# Altium PCB Shuttler_AMC.PcbDoc (part 11 of 12) (continued)
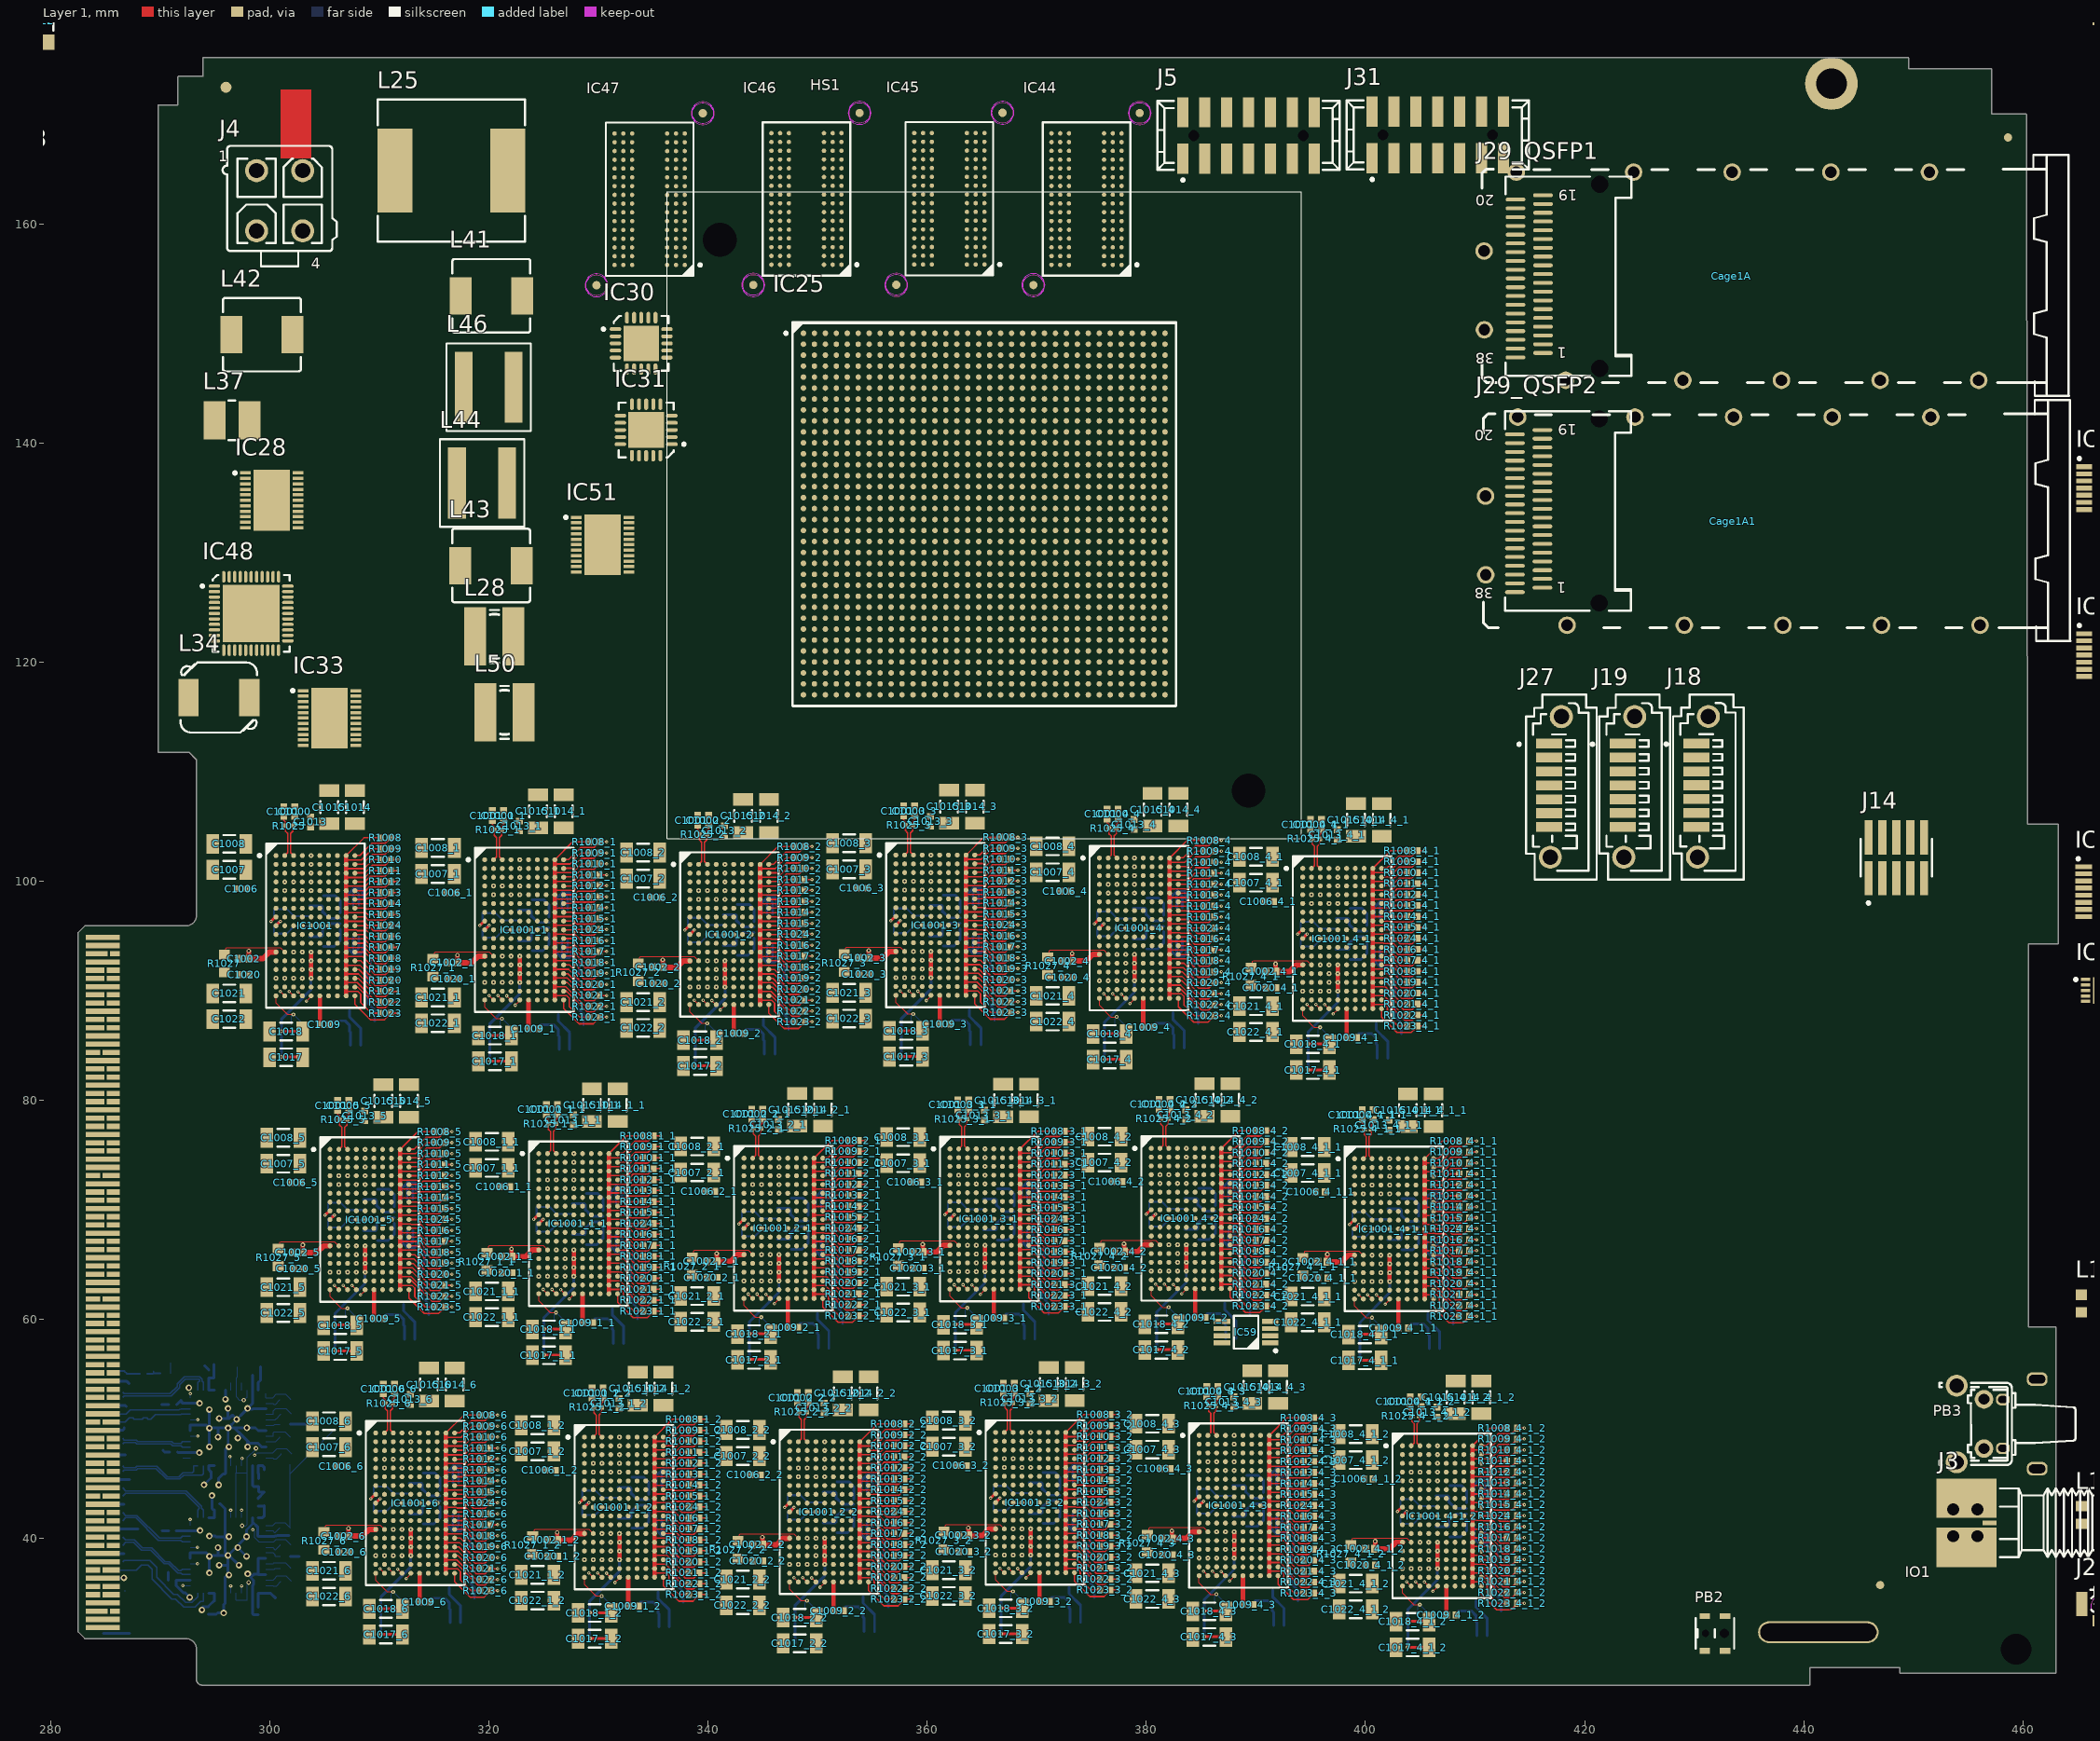
[diagram p0: Layer 1 view]
## Nets (pads, with @x,y where several pads share a name; then routed paths per layer and width w, separated by ;. In a path a pad name is that pad's centre, name@x,y a point inside that pad or via, vN(x,y) a via of type N, cw(c..) or ccw(c..) an arc to the next point about the centre after c; other vN are vias at no path point) (continued)
v2(414.506,41.1) ; 410.575,42.078 411.422,42.078 411.636,41.864 412.017,41.864 412.281,41.6 413.351,41.6 413.609,41.858 413.629,41.858 413.851,42.08 413.851,42.1 v2(414.506,42.1) ; 410.575,42.878 411.137,42.878 411.503,42.878 411.781,42.6 413.351,42.6 413.609,42.858 413.629,42.858 413.851,43.08 413.851,43.1 v2(414.506,43.1) ; 410.575,43.678 411.159,43.678 411.503,43.678 411.581,43.6 413.351,43.6 413.609,43.858 413.629,43.858 413.851,44.08 413.851,44.1 v2(414.506,44.1) ; 410.575,44.478 411.059,44.478 411.559,44.478 411.681,44.6 413.351,44.6 413.609,44.858 413.629,44.858 413.851,45.08 413.851,45.1 v2(414.506,45.1) ; 410.575,45.278 411.059,45.278 411.559,45.278 411.881,45.6 413.351,45.6 413.609,45.858 413.629,45.858 413.851,46.08 413.851,46.1 v2(414.506,46.1) ; 410.575,46.878 410.6,46.903 410.884,46.903 411.484,46.903 412.181,47.6 413.351,47.6 413.609,47.858 413.629,47.858 413.851,48.08 413.851,48.1 v2(414.506,48.1) ; 410.575,47.678 410.6,47.703 410.884,47.703 411.284,47.703 412.181,48.6 413.351,48.6 413.609,48.858 413.629,48.858 413.851,49.08 413.851,49.1 v2(414.506,49.1) ; 410.575,48.478 410.6,48.503 411.034,48.503 412.131,49.6 413.351,49.6 413.609,49.858 413.629,49.858 413.851,50.08 413.851,50.1 v2(414.506,50.1) ; 410.575,46.078 410.909,46.078 411.459,46.078 411.981,46.6 413.351,46.6 413.609,46.858 413.629,46.858 413.851,47.08 413.851,47.1 v2(414.506,47.1) ; 410.578,35.675 410.575,35.678 410.575,34.906 411.981,33.5 413.281,33.5 413.629,33.848 413.629,33.878 413.851,34.1 v2(414.506,34.1) ; 413.851,36.101 413.851,36.081 ; v2(414.506,36.081) 413.851,36.081
  Layer 1 w0.254: v2(300.113,96.35) 300.513,96.75 300.569,96.75 ; 300.569,95.95 v2(300.969,96.35) ; v1(301.05,83.972) 302.975,83.972 303,83.947 ; v1(301.05,86.322) 302.975,86.322 303,86.297 ; v2(305.044,69.528) 305.444,69.928 305.5,69.928 ; 305.5,69.128 v2(305.9,69.528) ; v1(305.981,57.15) 307.906,57.15 307.931,57.125 ; v1(305.981,59.5) 307.906,59.5 307.931,59.475 ; v2(309.213,43.65) 309.613,44.05 309.669,44.05 ; 309.669,43.25 v2(310.069,43.65) ; v1(310.15,31.272) 312.075,31.272 312.1,31.247 ; v1(310.15,33.622) 312.075,33.622 312.1,33.597 ; v2(319.163,95.975) 319.563,96.375 319.619,96.375 ; 319.619,95.575 v2(320.019,95.975) ; v1(320.1,83.597) 322.025,83.597 322.05,83.572 ; v1(320.1,85.947) 322.025,85.947 322.05,85.922 ; v2(324.094,69.153) 324.494,69.553 324.55,69.553 ; 324.55,68.753 v2(324.95,69.153) ; v1(325.031,56.775) 326.956,56.775 326.981,56.75 ; v1(325.031,59.125) 326.956,59.125 326.981,59.1 ; v2(328.263,43.275) 328.663,43.675 328.719,43.675 ; 328.719,42.875 v2(329.119,43.275) ; v1(329.2,30.897) 331.125,30.897 331.15,30.872 ; v1(329.2,33.247) 331.125,33.247 331.15,33.222 ; v2(337.888,95.55) 338.288,95.95 338.344,95.95 ; 338.344,95.15 v2(338.744,95.55) ; v1(338.825,83.172) 340.75,83.172 340.775,83.147 ; v1(338.825,85.522) 340.75,85.522 340.775,85.497 ; v2(342.819,68.728) 343.219,69.128 343.275,69.128 ; 343.275,68.328 v2(343.675,68.728) ; v1(343.756,56.35) 345.681,56.35 345.706,56.325 ; v1(343.756,58.7) 345.681,58.7 345.706,58.675 ; v2(346.988,42.85) 347.388,43.25 347.444,43.25 ; 347.444,42.45 v2(347.844,42.85) ; v1(347.925,32.822) 349.85,32.822 349.875,32.797 ; v2(356.688,96.4) 357.088,96.8 357.144,96.8 ; 357.144,96 v2(357.544,96.4) ; v1(357.625,84.022) 359.55,84.022 359.575,83.997 ; v1(357.625,86.372) 359.55,86.372 359.575,86.347 ; v2(361.619,69.578) 362.019,69.978 362.075,69.978 ; 362.075,69.178 v2(362.475,69.578) ; v1(362.556,57.2) 364.481,57.2 364.506,57.175 ; v1(362.556,59.55) 364.481,59.55 364.506,59.525 ; v2(365.788,43.7) 366.188,44.1 366.244,44.1 ; 366.244,43.3 v2(366.644,43.7) ; v1(366.725,31.322) 368.65,31.322 368.675,31.297 ; v1(366.725,33.672) 368.65,33.672 368.675,33.647 ; v2(375.263,96.125) 375.663,96.525 375.719,96.525 ; 375.719,95.725 v2(376.119,96.125) ; v1(376.2,83.747) 378.125,83.747 378.15,83.722 ; v1(376.2,86.097) 378.125,86.097 378.15,86.072 ; v2(379.994,69.625) 380.394,70.025 380.45,70.025 ; 380.45,69.225 v2(380.85,69.625) ; v1(380.931,57.247) 382.856,57.247 382.881,57.222 ; v1(380.931,59.597) 382.856,59.597 382.881,59.572 ; v2(384.363,43.425) 384.763,43.825 384.819,43.825 ; 384.819,43.025 v2(385.219,43.425) ; v1(385.3,31.047) 387.225,31.047 387.25,31.022 ; v1(385.3,33.397) 387.225,33.397 387.25,33.372 ; v2(393.819,95.178) 394.219,95.578 394.275,95.578 ; 394.275,94.778 v2(394.675,95.178) ; v1(394.756,82.8) 396.681,82.8 396.706,82.775 ; v1(394.756,85.15) 396.681,85.15 396.706,85.125 ; v2(398.549,68.678) 398.949,69.078 399.006,69.078 ; 399.006,68.278 v2(399.406,68.678) ; v1(399.487,56.3) 401.412,56.3 401.437,56.275 ; v1(399.487,58.65) 401.412,58.65 401.437,58.625 ; v2(402.919,42.478) 403.318,42.878 403.375,42.878 ; 403.375,42.078 v2(403.775,42.478) ; v1(403.856,30.1) 405.781,30.1 405.806,30.075 ; v1(403.856,32.45) 405.781,32.45 405.806,32.425
  Layer 1 w0.4: 298.085,92.947 v4@298.085,93.6 ; 303.016,66.125 v4@303.016,66.778 ; v1(303.769,91.15) v1(303.769,91.95) v1(303.769,92.75) v1(303.769,93.55) ; 304.569,86.883 304.569,89.55 ; 306.969,89.55 306.969,89.947 306.969,90.35 306.969,90.75 306.969,91.15 306.969,91.55 306.969,91.95 306.969,92.35 306.969,92.75 306.969,93.15 306.969,93.55 306.969,93.95 306.969,94.35 306.969,94.75 306.969,95.15 306.969,95.55 306.969,95.95 306.969,96.35 306.969,96.75 306.969,97.15 306.969,97.55 306.969,97.947 306.969,98.35 306.969,98.75 306.969,99.15 306.969,99.55 306.969,99.95 306.969,100.35 306.969,100.75 306.969,101.15 306.969,101.55 306.969,101.95 306.969,102.35 ; 307.185,40.247 v4@307.185,40.9 ; v1(308.7,64.328) v1(308.7,65.128) v1(308.7,65.928) v1(308.7,66.728) ; 309.5,60.061 309.5,62.728 ; 311.9,62.728 311.9,63.125 311.9,63.528 311.9,63.928 311.9,64.328 311.9,64.728 311.9,65.128 311.9,65.528 311.9,65.928 311.9,66.328 311.9,66.728 311.9,67.128 311.9,67.528 311.9,67.928 311.9,68.328 311.9,68.728 311.9,69.128 311.9,69.528 311.9,69.928 311.9,70.328 311.9,70.728 311.9,71.125 311.9,71.528 311.9,71.928 311.9,72.328 311.9,72.728 311.9,73.128 311.9,73.528 311.9,73.928 311.9,74.328 311.9,74.728 311.9,75.128 311.9,75.528 ; v1(312.869,38.45) v1(312.869,39.25) v1(312.869,40.05) v1(312.869,40.85) ; 313.669,34.183 313.669,36.85 ; 316.069,36.85 316.069,37.247 316.069,37.65 316.069,38.05 316.069,38.45 316.069,38.85 316.069,39.25 316.069,39.65 316.069,40.05 316.069,40.45 316.069,40.85 316.069,41.25 316.069,41.65 316.069,42.05 316.069,42.45 316.069,42.85 316.069,43.25 316.069,43.65 316.069,44.05 316.069,44.45 316.069,44.85 316.069,45.247 316.069,45.65 316.069,46.05 316.069,46.45 316.069,46.85 316.069,47.25 316.069,47.65 316.069,48.05 316.069,48.45 316.069,48.85 316.069,49.25 316.069,49.65 ; 317.135,92.572 v4@317.135,93.225 ; 322.066,65.75 v4@322.066,66.403 ; v1(322.819,90.775) v1(322.819,91.575) v1(322.819,92.375) v1(322.819,93.175) ; 323.619,86.508 323.619,89.175 ; 326.019,89.175 326.019,89.572 326.019,89.975 326.019,90.375 326.019,90.775 326.019,91.175 326.019,91.575 326.019,91.975 326.019,92.375 326.019,92.775 326.019,93.175 326.019,93.575 326.019,93.975 326.019,94.375 326.019,94.775 326.019,95.175 326.019,95.575 326.019,95.975 326.019,96.375 326.019,96.775 326.019,97.175 326.019,97.572 326.019,97.975 326.019,98.375 326.019,98.775 326.019,99.175 326.019,99.575 326.019,99.975 326.019,100.375 326.019,100.775 326.019,101.175 326.019,101.575 326.019,101.975 ; 326.235,39.872 v4@326.235,40.525 ; v1(327.75,63.953) v1(327.75,64.753) v1(327.75,65.553) v1(327.75,66.353) ; 328.55,59.686 328.55,62.353 ; 330.95,62.353 330.95,62.75 330.95,63.153 330.95,63.553 330.95,63.953 330.95,64.353 330.95,64.753 330.95,65.153 330.95,65.553 330.95,65.953 330.95,66.353 330.95,66.753 330.95,67.153 330.95,67.553 330.95,67.953 330.95,68.353 330.95,68.753 330.95,69.153 330.95,69.553 330.95,69.953 330.95,70.353 330.95,70.75 330.95,71.153 330.95,71.553 330.95,71.953 330.95,72.353 330.95,72.753 330.95,73.153 330.95,73.553 330.95,73.953 330.95,74.353 330.95,74.753 330.95,75.153 ; v1(331.919,38.075) v1(331.919,38.875) v1(331.919,39.675) v1(331.919,40.475) ; 332.719,33.808 332.719,36.475 ; 335.119,36.475 335.119,36.872 335.119,37.275 335.119,37.675 335.119,38.075 335.119,38.475 335.119,38.875 335.119,39.275 335.119,39.675 335.119,40.075 335.119,40.475 335.119,40.875 335.119,41.275 335.119,41.675 335.119,42.075 335.119,42.475 335.119,42.875 335.119,43.275 335.119,43.675 335.119,44.075 335.119,44.475 335.119,44.872 335.119,45.275 335.119,45.675 335.119,46.075 335.119,46.475 335.119,46.875 335.119,47.275 335.119,47.675 335.119,48.075 335.119,48.475 335.119,48.875 335.119,49.275 ; 335.86,92.147 v4@335.86,92.8 ; 340.791,65.325 v4@340.791,65.978 ; v1(341.544,90.35) v1(341.544,91.15) v1(341.544,91.95) v1(341.544,92.75) ; 342.344,86.083 342.344,88.75 ; 344.744,88.75 344.744,89.147 344.744,89.55 344.744,89.95 344.744,90.35 344.744,90.75 344.744,91.15 344.744,91.55 344.744,91.95 344.744,92.35 344.744,92.75 344.744,93.15 344.744,93.55 344.744,93.95 344.744,94.35 344.744,94.75 344.744,95.15 344.744,95.55 344.744,95.95 344.744,96.35 344.744,96.75 344.744,97.147 344.744,97.55 344.744,97.95 344.744,98.35 344.744,98.75 344.744,99.15 344.744,99.55 344.744,99.95 344.744,100.35 344.744,100.75 344.744,101.15 344.744,101.55 ; 344.96,39.447 v4@344.96,40.1 ; v1(346.475,63.528) v1(346.475,64.328) v1(346.475,65.128) v1(346.475,65.928) ; 347.275,59.261 347.275,61.928 ; 349.675,61.928 349.675,62.325 349.675,62.728 349.675,63.128 349.675,63.528 349.675,63.928 349.675,64.328 349.675,64.728 349.675,65.128 349.675,65.528 349.675,65.928 349.675,66.328 349.675,66.728 349.675,67.128 349.675,67.528 349.675,67.928 349.675,68.328 349.675,68.728 349.675,69.128 349.675,69.528 349.675,69.928 349.675,70.325 349.675,70.728 349.675,71.128 349.675,71.528 349.675,71.928 349.675,72.328 349.675,72.728 349.675,73.128 349.675,73.528 349.675,73.928 349.675,74.328 349.675,74.728 ; v1(350.644,37.65) v1(350.644,38.45) v1(350.644,39.25) v1(350.644,40.05) ; 351.444,33.383 351.444,36.05 ; 353.844,36.05 353.844,36.447 353.844,36.85 353.844,37.25 353.844,37.65 353.844,38.05 353.844,38.45 353.844,38.85 353.844,39.25 353.844,39.65 353.844,40.05 353.844,40.45 353.844,40.85 353.844,41.25 353.844,41.65 353.844,42.05 353.844,42.45 353.844,42.85 353.844,43.25 353.844,43.65 353.844,44.05 353.844,44.447 353.844,44.85 353.844,45.25 353.844,45.65 353.844,46.05 353.844,46.45 353.844,46.85 353.844,47.25 353.844,47.65 353.844,48.05 353.844,48.45 353.844,48.85 ; 354.66,92.997 v4@354.66,93.65 ; 359.591,66.175 v4@359.591,66.828 ; v1(360.344,91.2) v1(360.344,92) v1(360.344,92.8) v1(360.344,93.6) ; 361.144,86.933 361.144,89.6 ; 363.544,89.6 363.544,89.997 363.544,90.4 363.544,90.8 363.544,91.2 363.544,91.6 363.544,92 363.544,92.4 363.544,92.8 363.544,93.2 363.544,93.6 363.544,94 363.544,94.4 363.544,94.8 363.544,95.2 363.544,95.6 363.544,96 363.544,96.4 363.544,96.8 363.544,97.2 363.544,97.6 363.544,97.997 363.544,98.4 363.544,98.8 363.544,99.2 363.544,99.6 363.544,100 363.544,100.4 363.544,100.8 363.544,101.2 363.544,101.6 363.544,102 363.544,102.4 ; 363.76,40.297 v4@363.76,40.95 ; v1(365.275,64.378) v1(365.275,65.178) v1(365.275,65.978) v1(365.275,66.778) ; 366.075,60.111 366.075,62.778 ; 368.475,62.778 368.475,63.175 368.475,63.578 368.475,63.978 368.475,64.378 368.475,64.778 368.475,65.178 368.475,65.578 368.475,65.978 368.475,66.378 368.475,66.778 368.475,67.178 368.475,67.578 368.475,67.978 368.475,68.378 368.475,68.778 368.475,69.178 368.475,69.578 368.475,69.978 368.475,70.378 368.475,70.778 368.475,71.175 368.475,71.578 368.475,71.978 368.475,72.378 368.475,72.778 368.475,73.178 368.475,73.578 368.475,73.978 368.475,74.378 368.475,74.778 368.475,75.178 368.475,75.578 ; v1(369.444,38.5) v1(369.444,39.3) v1(369.444,40.1) v1(369.444,40.9) ; 370.244,34.233 370.244,36.9 ; 372.644,36.9 372.644,37.297 372.644,37.7 372.644,38.1 372.644,38.5 372.644,38.9 372.644,39.3 372.644,39.7 372.644,40.1 372.644,40.5 372.644,40.9 372.644,41.3 372.644,41.7 372.644,42.1 372.644,42.5 372.644,42.9 372.644,43.3 372.644,43.7 372.644,44.1 372.644,44.5 372.644,44.9 372.644,45.297 372.644,45.7 372.644,46.1 372.644,46.5 372.644,46.9 372.644,47.3 372.644,47.7 372.644,48.1 372.644,48.5 372.644,48.9 372.644,49.3 372.644,49.7 ; 373.235,92.722 v4@373.235,93.375 ; 377.966,66.222 v4@377.966,66.875 ; v1(378.919,90.925) v1(378.919,91.725) v1(378.919,92.525) v1(378.919,93.325) ; 379.719,86.658 379.719,89.325 ; 382.119,89.325 382.119,89.722 382.119,90.125 382.119,90.525 382.119,90.925 382.119,91.325 382.119,91.725 382.119,92.125 382.119,92.525 382.119,92.925 382.119,93.325 382.119,93.725 382.119,94.125 382.119,94.525 382.119,94.925 382.119,95.325 382.119,95.725 382.119,96.125 382.119,96.525 382.119,96.925 382.119,97.325 382.119,97.722 382.119,98.125 382.119,98.525 382.119,98.925 382.119,99.325 382.119,99.725 382.119,100.125 382.119,100.525 382.119,100.925 382.119,101.325 382.119,101.725 382.119,102.125 ; 382.335,40.022 v4@382.335,40.675 ; v1(383.65,64.425) v1(383.65,65.225) v1(383.65,66.025) v1(383.65,66.825) ; 384.45,60.158 384.45,62.825 ; 386.85,62.825 386.85,63.222 386.85,63.625 386.85,64.025 386.85,64.425 386.85,64.825 386.85,65.225 386.85,65.625 386.85,66.025 386.85,66.425 386.85,66.825 386.85,67.225 386.85,67.625 386.85,68.025 386.85,68.425 386.85,68.825 386.85,69.225 386.85,69.625 386.85,70.025 386.85,70.425 386.85,70.825 386.85,71.222 386.85,71.625 386.85,72.025 386.85,72.425 386.85,72.825 386.85,73.225 386.85,73.625 386.85,74.025 386.85,74.425 386.85,74.825 386.85,75.225 386.85,75.625 ; v1(388.019,38.225) v1(388.019,39.025) v1(388.019,39.825) v1(388.019,40.625) ; 388.819,33.958 388.819,36.625 ; 391.219,36.625 391.219,37.022 391.219,37.425 391.219,37.825 391.219,38.225 391.219,38.625 391.219,39.025 391.219,39.425 391.219,39.825 391.219,40.225 391.219,40.625 391.219,41.025 391.219,41.425 391.219,41.825 391.219,42.225 391.219,42.625 391.219,43.025 391.219,43.425 391.219,43.825 391.219,44.225 391.219,44.625 391.219,45.022 391.219,45.425 391.219,45.825 391.219,46.225 391.219,46.625 391.219,47.025 391.219,47.425 391.219,47.825 391.219,48.225 391.219,48.625 391.219,49.025 391.219,49.425 ; 391.791,91.775 v4@391.791,92.428 ; 396.522,65.275 v4@396.522,65.928 ; v1(397.475,89.978) v1(397.475,90.778) v1(397.475,91.578) v1(397.475,92.378) ; 398.275,85.711 398.275,88.378 ; 400.675,88.378 400.675,88.775 400.675,89.178 400.675,89.578 400.675,89.978 400.675,90.378 400.675,90.778 400.675,91.178 400.675,91.578 400.675,91.978 400.675,92.378 400.675,92.778 400.675,93.178 400.675,93.578 400.675,93.978 400.675,94.378 400.675,94.778 400.675,95.178 400.675,95.578 400.675,95.978 400.675,96.378 400.675,96.775 400.675,97.178 400.675,97.578 400.675,97.978 400.675,98.378 400.675,98.778 400.675,99.178 400.675,99.578 400.675,99.978 400.675,100.378 400.675,100.778 400.675,101.178 ; 400.891,39.075 v4@400.891,39.728 ; v1(402.206,63.478) v1(402.206,64.278) v1(402.206,65.078) v1(402.206,65.878) ; 403.006,59.211 403.006,61.878 ; 405.406,61.878 405.406,62.275 405.406,62.678 405.406,63.078 405.406,63.478 405.406,63.878 405.406,64.278 405.406,64.678 405.406,65.078 405.406,65.478 405.406,65.878 405.406,66.278 405.406,66.678 405.406,67.078 405.406,67.478 405.406,67.878 405.406,68.278 405.406,68.678 405.406,69.078 405.406,69.478 405.406,69.878 405.406,70.275 405.406,70.678 405.406,71.078 405.406,71.478 405.406,71.878 405.406,72.278 405.406,72.678 405.406,73.078 405.406,73.478 405.406,73.878 405.406,74.278 405.406,74.678 ; v1(406.575,37.278) v1(406.575,38.078) v1(406.575,38.878) v1(406.575,39.678) ; 407.375,33.011 407.375,35.678 ; 409.775,35.678 409.775,36.075 409.775,36.478 409.775,36.878 409.775,37.278 409.775,37.678 409.775,38.078 409.775,38.478 409.775,38.878 409.775,39.278 409.775,39.678 409.775,40.078 409.775,40.478 409.775,40.878 409.775,41.278 409.775,41.678 409.775,42.078 409.775,42.478 409.775,42.878 409.775,43.278 409.775,43.678 409.775,44.075 409.775,44.478 409.775,44.878 409.775,45.278 409.775,45.678 409.775,46.078 409.775,46.478 409.775,46.878 409.775,47.278 409.775,47.678 409.775,48.078 409.775,48.478
  Layer 1 w0.5: 298.085,92.947 299.375,92.947 299.978,93.55 300.569,93.55 ; 303.016,66.125 304.306,66.125 304.909,66.728 305.5,66.728 ; 307.185,40.247 308.475,40.247 309.078,40.85 309.669,40.85 ; 317.135,92.572 318.425,92.572 319.028,93.175 319.619,93.175 ; 322.066,65.75 323.356,65.75 323.959,66.353 324.55,66.353 ; 326.235,39.872 327.525,39.872 328.128,40.475 328.719,40.475 ; 335.86,92.147 337.15,92.147 337.753,92.75 338.344,92.75 ; 340.791,65.325 342.081,65.325 342.684,65.928 343.275,65.928 ; 344.96,39.447 346.25,39.447 346.853,40.05 347.444,40.05 ; 354.66,92.997 355.95,92.997 356.553,93.6 357.144,93.6 ; 359.591,66.175 360.881,66.175 361.484,66.778 362.075,66.778 ; 363.76,40.297 365.05,40.297 365.653,40.9 366.244,40.9 ; 373.235,92.722 374.525,92.722 375.128,93.325 375.719,93.325 ; 377.966,66.222 379.256,66.222 379.859,66.825 380.45,66.825 ; 382.335,40.022 383.625,40.022 384.228,40.625 384.819,40.625 ; 391.791,91.775 393.081,91.775 393.684,92.378 394.275,92.378 ; 396.522,65.275 397.812,65.275 398.415,65.878 399.006,65.878 ; 400.891,39.075 402.181,39.075 402.784,39.678 403.375,39.678
  Layer 12 w0.1: 302,86.942 302,87.66 302.15,87.81 v1(302.15,87.847) 303.284,86.713 303.284,86.413 303.375,86.322 ; 306.931,60.12 306.931,60.838 307.081,60.988 v1(307.081,61.025) 308.215,59.891 308.215,59.591 308.306,59.5 ; 308.98,89.752 309.58,89.752 310.35,90.522 310.35,95.322 310.05,95.622 309.325,95.622 ; 311.1,34.242 311.1,34.96 311.25,35.11 v1(311.25,35.147) 312.384,34.013 312.384,33.713 312.475,33.622 ; 313.911,62.93 314.511,62.93 315.281,63.7 315.281,68.5 314.981,68.8 314.256,68.8 ; 318.08,37.052 318.68,37.052 319.45,37.822 319.45,42.622 319.15,42.922 318.425,42.922 ; 321.05,86.567 321.05,87.285 321.2,87.435 v1(321.2,87.472) 322.334,86.338 322.334,86.038 322.425,85.947 ; 325.981,59.745 325.981,60.463 326.131,60.613 v1(326.131,60.65) 327.265,59.516 327.265,59.216 327.356,59.125 ; 328.03,89.377 328.63,89.377 329.4,90.147 329.4,94.947 329.1,95.247 328.375,95.247 ; 330.15,33.867 330.15,34.585 330.3,34.735 v1(330.3,34.772) 331.434,33.638 331.434,33.338 331.525,33.247 ; 332.961,62.555 333.561,62.555 334.331,63.325 334.331,68.125 334.031,68.425 333.306,68.425 ; 337.13,36.677 337.73,36.677 338.5,37.447 338.5,42.247 338.2,42.547 337.475,42.547 ; 339.775,86.142 339.775,86.86 339.925,87.01 v1(339.925,87.047) 341.059,85.913 341.059,85.613 341.15,85.522 ; 344.706,59.32 344.706,60.038 344.856,60.188 v1(344.856,60.225) 345.99,59.091 345.99,58.791 346.081,58.7 ; 346.755,88.952 347.355,88.952 348.125,89.722 348.125,94.522 347.825,94.822 347.1,94.822 ; 348.875,33.442 348.875,34.16 349.025,34.31 v1(349.025,34.347) 350.159,33.213 350.159,32.913 350.25,32.822 ; 351.686,62.13 352.286,62.13 353.056,62.9 353.056,67.7 352.756,68 352.031,68 ; 355.855,36.252 356.455,36.252 357.225,37.022 357.225,41.822 356.925,42.122 356.2,42.122 ; 358.575,86.992 358.575,87.71 358.725,87.86 v1(358.725,87.897) 359.859,86.763 359.859,86.463 359.95,86.372 ; 363.506,60.17 363.506,60.888 363.656,61.038 v1(363.656,61.075) 364.79,59.941 364.79,59.641 364.881,59.55 ; 365.555,89.802 366.155,89.802 366.925,90.572 366.925,95.372 366.625,95.672 365.9,95.672 ; 367.675,34.292 367.675,35.01 367.825,35.16 v1(367.825,35.197) 368.959,34.063 368.959,33.763 369.05,33.672 ; 370.486,62.98 371.086,62.98 371.856,63.75 371.856,68.55 371.556,68.85 370.831,68.85 ; 374.655,37.102 375.255,37.102 376.025,37.872 376.025,42.672 375.725,42.972 375,42.972 ; 377.15,86.717 377.15,87.435 377.3,87.585 v1(377.3,87.622) 378.434,86.488 378.434,86.188 378.525,86.097 ; 381.881,60.217 381.881,60.935 382.031,61.085 v1(382.031,61.122) 383.165,59.988 383.165,59.688 383.256,59.597 ; 384.13,89.527 384.73,89.527 385.5,90.297 385.5,95.097 385.2,95.397 384.475,95.397 ; 386.25,34.017 386.25,34.735 386.4,34.885 v1(386.4,34.922) 387.534,33.788 387.534,33.488 387.625,33.397 ; 388.861,63.027 389.461,63.027 390.231,63.797 390.231,68.597 389.931,68.897 389.206,68.897 ; 393.23,36.827 393.83,36.827 394.6,37.597 394.6,42.397 394.3,42.697 393.575,42.697 ; 395.706,85.77 395.706,86.488 395.856,86.638 v1(395.856,86.675) 396.99,85.541 396.99,85.241 397.081,85.15 ; 400.437,59.27 400.437,59.988 400.587,60.138 v1(400.587,60.175) 401.721,59.041 401.721,58.741 401.812,58.65 ; 402.686,88.58 403.286,88.58 404.056,89.35 404.056,94.15 403.756,94.45 403.031,94.45 ; 404.806,33.07 404.806,33.788 404.956,33.938 v1(404.956,33.975) 406.09,32.841 406.09,32.541 406.181,32.45 ; 407.417,62.08 408.017,62.08 408.787,62.85 408.787,67.65 408.487,67.95 407.762,67.95 ; 411.786,35.88 412.386,35.88 413.156,36.65 413.156,41.45 412.856,41.75 412.131,41.75
  Layer 12 w0.102: 286.781,35.181 286.781,35.281 ; 290.953,55.085 290.955,55.086 290.955,56.043 ; v2(292.057,35.72) 292.734,35.72 ; 292.073,47.354 292.75,47.354 ; 292.734,37.72 v2(293.41,37.72) ; 292.734,39.22 v2(293.41,39.22) ; 292.734,41.22 v2(292.734,41.741) ; 292.75,49.354 v2(293.426,49.354) ; 292.75,50.854 v2(293.426,50.854) ; 292.75,52.854 v2(292.75,53.23) ; v2(296.354,47.483) 296.45,47.387 296.45,46.654 ; 296.434,35.02 v2(296.434,35.696) ; 296.434,41.92 v2(296.434,42.596) ; 296.45,53.554 296.45,54.23 ; 296.934,35.02 296.934,34.392 297.934,34.392 297.934,35.02 297.934,35.87 v4(298.066,36.003) ; 296.934,41.92 296.934,46.01 296.95,46.026 ; 296.95,46.654 296.95,46.026 ; 297.034,55.65 297.034,54.767 296.95,54.683 296.95,53.554 296.95,52.926 297.224,52.652 v4(297.622,52.652) 297.891,52.921 297.945,52.921 297.95,52.926 297.95,53.554 ; 297.434,35.02 v2(297.434,35.696) ; 297.434,41.92 v2(297.434,42.596) ; 297.45,46.654 297.45,47.313 v2(297.466,47.33) ; 297.45,53.554 297.45,54.23 ; v4(297.48,41.185) 297.827,41.185 297.934,41.292 297.934,41.92 297.934,44.279 297.95,44.295 297.95,46.026 ; v2(298.454,40.811) 298.612,40.654 298.612,40.107 298.998,39.72 299.634,39.72 300.369,39.72 300.586,39.937 301.422,39.937 301.89,39.469 301.89,39.449 ; v2(298.625,47.614) 298.865,47.854 299.65,47.854 300.295,47.854 300.674,48.232 301.51,48.232 301.977,47.764 ; v4(298.737,48.249) 298.737,48.189 297.95,47.402 297.95,46.654 297.95,46.026 ; 299.634,35.72 300.261,35.72 300.309,35.673 300.605,35.673 301.021,36.088 301.021,36.108 ; 299.634,36.22 300.31,36.22 300.553,36.463 300.553,36.492 300.657,36.596 301.493,36.596 301.961,36.128 ; 299.634,37.22 300.41,37.22 300.492,37.303 300.96,37.303 ; 299.634,37.72 300.31,37.72 300.322,37.733 300.38,37.791 301.432,37.791 301.9,37.323 301.9,37.303 ; 299.634,38.72 300.261,38.72 300.475,38.506 300.475,38.387 300.943,38.387 ; 299.634,39.22 300.261,39.22 300.468,39.013 300.534,39.013 300.95,39.429 300.95,39.449 ; 299.634,40.72 300.261,40.72 300.423,40.558 300.494,40.558 300.91,40.974 300.91,40.994 ; 299.634,41.22 300.285,41.22 300.546,41.482 301.382,41.482 301.85,41.014 ; 299.65,47.354 300.277,47.354 300.322,47.309 300.622,47.309 301.037,47.724 301.037,47.744 ; 299.65,48.854 300.277,48.854 300.284,48.847 300.517,48.847 300.932,49.263 300.932,49.283 ; 299.65,49.354 300.326,49.354 300.326,49.681 300.415,49.77 301.404,49.77 301.872,49.303 301.872,49.283 ; 299.65,50.354 300.371,50.354 300.462,50.444 300.929,50.444 ; 299.65,50.854 300.487,50.854 300.583,50.95 300.602,50.95 301.018,51.366 301.018,51.386 ; 299.65,51.354 300.326,51.354 300.326,51.681 300.518,51.873 301.49,51.873 301.958,51.406 ; 299.65,52.354 300.277,52.354 300.359,52.272 300.525,52.272 300.941,52.687 300.941,52.707 ; 299.65,53.23 299.65,52.854 300.277,52.854 300.473,53.049 300.473,53.091 300.577,53.195 301.413,53.195 301.881,52.727 301.881,52.707 ; 301.85,40.994 301.85,41.014 ; 301.85,45.916 305.885,49.951 ; 301.85,46.766 301.85,41.014 ; 296.95,46.026 297.95,46.026
  Layer 12 w0.108: 286.57,37.89 286.701,38.022 289.033,38.022 289.678,37.376 289.678,36.468 291.231,34.916 291.562,34.916 292.309,34.168 292.89,34.168 293.434,34.712 293.434,35.02 ; 286.57,39.39 286.841,39.661 287.565,39.661 288.274,38.952 289.132,38.952 290.382,37.702 290.759,37.702 291.595,36.866 291.88,36.866 292.026,36.72 292.734,36.72 ; 286.57,40.14 286.841,39.869 287.65,39.869 288.36,39.16 289.218,39.16 290.468,37.91 290.845,37.91 291.681,37.074 291.88,37.074 292.026,37.22 292.734,37.22 ; 286.57,41.64 286.841,41.911 287.795,41.911 289.84,39.866 291.88,39.866 292.026,39.72 292.734,39.72 ; 286.57,42.39 286.841,42.119 287.881,42.119 289.926,40.074 291.88,40.074 292.026,40.22 292.734,40.22 ; 286.57,43.89 286.841,44.161 292.281,44.161 293.58,42.863 293.58,42.774 293.434,42.627 293.434,41.92 ; 286.57,44.64 286.841,44.369 292.367,44.369 293.787,42.949 293.787,42.774 293.934,42.627 293.934,41.92 ; 286.57,46.14 286.714,46.285 287.816,46.285 287.942,46.411 289.608,46.411 290.579,45.44 291.772,45.44 292.151,45.819 293.822,45.819 293.95,45.946 293.95,46.654 ; 286.57,46.637 286.714,46.492 287.73,46.492 287.857,46.619 289.693,46.619 290.664,45.648 291.686,45.648 292.065,46.026 292.908,46.026 293.043,46.161 293.043,46.654 293.45,46.654 ; 286.57,48.643 286.714,48.788 287.73,48.788 287.857,48.661 290.967,48.661 291.129,48.5 291.896,48.5 292.043,48.354 292.75,48.354 ; 286.57,49.14 286.714,48.995 287.816,48.995 287.942,48.869 291.053,48.869 291.215,48.707 291.896,48.707 292.043,48.854 292.75,48.854 ; 286.57,52.89 286.714,53.035 290.989,53.035 291.76,53.806 291.76,54.052 292.285,54.578 293.514,54.578 293.596,54.496 293.596,54.407 293.45,54.261 293.45,53.554 ; 286.57,53.387 286.714,53.242 290.903,53.242 291.552,53.892 291.552,54.138 292.199,54.785 293.6,54.785 293.803,54.582 293.803,54.407 293.95,54.261 293.95,53.554
  Layer 12 w0.16: 288.824,55.067 289.329,55.067 289.393,55.132 ; 289.393,55.278 289.393,55.132 ; 290.013,55.085 289.44,55.085 289.393,55.132

## Text inside footprints (layer, text, board x,y; h text height)
IC25: Mechanical 14 "34" at 381.906,151.525 h0.6 r90; Mechanical 14 "33" at 380.906,151.525 h0.6 r90; Mechanical 14 "32" at 379.906,151.525 h0.6 r90; Mechanical 14 "31" at 378.906,151.525 h0.6 r90; Mechanical 14 "30" at 377.906,151.525 h0.6 r90; Mechanical 14 "29" at 376.906,151.525 h0.6 r90; Mechanical 14 "28" at 375.906,151.525 h0.6 r90; Mechanical 14 "27" at 374.906,151.525 h0.6 r90; Mechanical 14 "26" at 373.906,151.525 h0.6 r90; Mechanical 14 "25" at 372.906,151.525 h0.6 r90; Mechanical 14 "24" at 371.906,151.525 h0.6 r90; Mechanical 14 "23" at 370.906,151.525 h0.6 r90; Mechanical 14 "2" at 349.956,151.525 h0.6 r90; Mechanical 14 "3" at 350.956,151.525 h0.6 r90; Mechanical 14 "4" at 351.956,151.525 h0.6 r90; Mechanical 14 "5" at 352.956,151.525 h0.6 r90; Mechanical 14 "16" at 363.956,151.525 h0.6 r90; Mechanical 14 "15" at 362.956,151.525 h0.6 r90; Mechanical 14 "14" at 361.956,151.525 h0.6 r90; Mechanical 14 "13" at 360.956,151.525 h0.6 r90; Mechanical 14 "12" at 359.956,151.525 h0.6 r90; Mechanical 14 "11" at 358.956,151.525 h0.6 r90; Mechanical 14 "10" at 357.956,151.525 h0.6 r90; Mechanical 14 "9" at 356.956,151.525 h0.6 r90; Mechanical 14 "8" at 355.956,151.525 h0.6 r90; Mechanical 14 "7" at 354.956,151.525 h0.6 r90; Mechanical 14 "6" at 353.956,151.525 h0.6 r90; Mechanical 14 "1" at 348.956,151.525 h0.6 r90; Mechanical 14 "18" at 365.956,151.525 h0.6 r90; Mechanical 14 "19" at 366.956,151.525 h0.6 r90; Mechanical 14 "20" at 367.956,151.525 h0.6 r90; Mechanical 14 "21" at 368.956,151.525 h0.6 r90; Mechanical 14 "22" at 369.906,151.525 h0.6 r90; Mechanical 14 "17" at 364.956,151.525 h0.6 r90; Mechanical 14 "AB" at 346.306,128.725 h0.6; Mechanical 14 "AA" at 346.306,129.725 h0.6; Mechanical 14 "Y" at 346.806,130.725 h0.6; Mechanical 14 "W" at 346.806,131.725 h0.6; Mechanical 14 "V" at 346.806,132.725 h0.6; Mechanical 14 "U" at 346.806,133.725 h0.6; Mechanical 14 "T" at 346.806,134.725 h0.6; Mechanical 14 "R" at 346.806,135.725 h0.6; Mechanical 14 "P" at 346.806,136.725 h0.6; Mechanical 14 "N" at 346.806,137.725 h0.6; Mechanical 14 "M" at 346.806,138.725 h0.6; Mechanical 14 "L" at 346.806,139.725 h0.6; Mechanical 14 "K" at 346.806,140.725 h0.6; Mechanical 14 "J" at 346.806,141.725 h0.6; Mechanical 14 "H" at 346.806,142.725 h0.6; Mechanical 14 "G" at 346.806,143.725 h0.6; Mechanical 14 "F" at 346.806,144.725 h0.6; Mechanical 14 "E" at 346.806,145.725 h0.6; Mechanical 14 "D" at 346.806,146.725 h0.6; Mechanical 14 "C" at 346.806,147.725 h0.6; Mechanical 14 "B" at 346.806,148.725 h0.6; Mechanical 14 "A" at 346.806,149.725 h0.6; Mechanical 14 "AC" at 346.306,127.725 h0.6; Mechanical 14 "AD" at 346.306,126.725 h0.6; Mechanical 14 "AE" at 346.306,125.725 h0.6; Mechanical 14 "AF" at 346.306,124.725 h0.6; Mechanical 14 "AG" at 346.306,123.725 h0.6; Mechanical 14 "AH" at 346.306,122.725 h0.6; Mechanical 14 "AJ" at 346.306,121.725 h0.6; Mechanical 14 "AK" at 346.306,120.725 h0.6; Mechanical 14 "AL" at 346.306,119.725 h0.6; Mechanical 14 "AM" at 346.306,118.725 h0.6; Mechanical 14 "AN" at 346.306,117.725 h0.6; Mechanical 14 "AP" at 346.306,116.725 h0.6
IC38: Mechanical 14 "14" at 427.9,139.55 h0.5 r270; Mechanical 14 "13" at 428.7,139.55 h0.5 r270; Mechanical 14 "10" at 431.1,139.55 h0.5 r270; Mechanical 14 "11" at 430.3,139.55 h0.5 r270; Mechanical 14 "12" at 429.5,139.55 h0.5 r270; Mechanical 14 "7" at 433.5,139.55 h0.5 r270; Mechanical 14 "8" at 432.7,139.55 h0.5 r270; Mechanical 14 "9" at 431.9,139.55 h0.5 r270; Mechanical 14 "4" at 435.9,139.55 h0.5 r270; Mechanical 14 "5" at 435.1,139.55 h0.5 r270; Mechanical 14 "6" at 434.3,139.55 h0.5 r270; Mechanical 14 "3" at 436.7,139.55 h0.5 r270; Mechanical 14 "2" at 437.5,139.55 h0.5 r270; Mechanical 14 "1" at 438.3,139.55 h0.5 r270; Mechanical 14 "L" at 440.05,130.2 h0.5; Mechanical 14 "K" at 440.05,131 h0.5; Mechanical 14 "M" at 440.05,129.4 h0.5; Mechanical 14 "H" at 440.05,132.6 h0.5; Mechanical 14 "G" at 440.05,133.4 h0.5; Mechanical 14 "F" at 440.05,134.2 h0.5; Mechanical 14 "E" at 440.05,135 h0.5; Mechanical 14 "D" at 440.05,135.8 h0.5; Mechanical 14 "C" at 440.05,136.6 h0.5; Mechanical 14 "B" at 440.05,137.4 h0.5; Mechanical 14 "A" at 440.05,138.2 h0.5; Mechanical 14 "N" at 440.05,128.6 h0.5; Mechanical 14 "P" at 440.05,127.8 h0.5; Mechanical 14 "J" at 440.05,131.8 h0.5
IC1001: Mechanical 14 "P" at 298.969,91.7 h0.6; Mechanical 14 "N" at 298.969,92.5 h0.6; Mechanical 14 "M" at 298.969,93.3 h0.6; Mechanical 14 "L" at 298.969,94.1 h0.6; Mechanical 14 "Q" at 298.969,90.9 h0.6; Mechanical 14 "J" at 298.969,95.7 h0.6; Mechanical 14 "A" at 298.969,102.1 h0.6; Mechanical 14 "B" at 298.969,101.3 h0.6; Mechanical 14 "C" at 298.969,100.5 h0.6; Mechanical 14 "D" at 298.969,99.7 h0.6; Mechanical 14 "E" at 298.969,98.9 h0.6; Mechanical 14 "F" at 298.969,98.1 h0.6; Mechanical 14 "G" at 298.969,97.3 h0.6; Mechanical 14 "H" at 298.969,96.5 h0.6; Mechanical 14 "K" at 298.969,94.9 h0.6; Mechanical 14 "9" at 306.794,103.55 h0.6; Mechanical 14 "8" at 305.994,103.55 h0.6; Mechanical 14 "7" at 305.194,103.55 h0.6; Mechanical 14 "6" at 304.394,103.55 h0.6; Mechanical 14 "5" at 303.594,103.55 h0.6; Mechanical 14 "4" at 302.794,103.55 h0.6; Mechanical 14 "3" at 301.994,103.55 h0.6; Mechanical 14 "1" at 300.394,103.55 h0.6; Mechanical 14 "2" at 301.094,103.55 h0.6; Mechanical 14 "10" at 307.594,103.55 h0.6; Mechanical 14 "S" at 298.969,89.3 h0.6; Mechanical 14 "R" at 298.969,90.1 h0.6
IC1001_1: Mechanical 14 "P" at 318.019,91.325 h0.6; Mechanical 14 "N" at 318.019,92.125 h0.6; Mechanical 14 "M" at 318.019,92.925 h0.6; Mechanical 14 "L" at 318.019,93.725 h0.6; Mechanical 14 "Q" at 318.019,90.525 h0.6; Mechanical 14 "J" at 318.019,95.325 h0.6; Mechanical 14 "A" at 318.019,101.725 h0.6; Mechanical 14 "B" at 318.019,100.925 h0.6; Mechanical 14 "C" at 318.019,100.125 h0.6; Mechanical 14 "D" at 318.019,99.325 h0.6; Mechanical 14 "E" at 318.019,98.525 h0.6; Mechanical 14 "F" at 318.019,97.725 h0.6; Mechanical 14 "G" at 318.019,96.925 h0.6; Mechanical 14 "H" at 318.019,96.125 h0.6; Mechanical 14 "K" at 318.019,94.525 h0.6; Mechanical 14 "9" at 325.844,103.175 h0.6; Mechanical 14 "8" at 325.044,103.175 h0.6; Mechanical 14 "7" at 324.244,103.175 h0.6; Mechanical 14 "6" at 323.444,103.175 h0.6; Mechanical 14 "5" at 322.644,103.175 h0.6; Mechanical 14 "4" at 321.844,103.175 h0.6; Mechanical 14 "3" at 321.044,103.175 h0.6; Mechanical 14 "1" at 319.444,103.175 h0.6; Mechanical 14 "2" at 320.144,103.175 h0.6; Mechanical 14 "10" at 326.644,103.175 h0.6; Mechanical 14 "S" at 318.019,88.925 h0.6; Mechanical 14 "R" at 318.019,89.725 h0.6
IC1001_1_1: Mechanical 14 "P" at 322.95,64.503 h0.6; Mechanical 14 "N" at 322.95,65.303 h0.6; Mechanical 14 "M" at 322.95,66.103 h0.6; Mechanical 14 "L" at 322.95,66.903 h0.6; Mechanical 14 "Q" at 322.95,63.703 h0.6; Mechanical 14 "J" at 322.95,68.503 h0.6; Mechanical 14 "A" at 322.95,74.903 h0.6; Mechanical 14 "B" at 322.95,74.103 h0.6; Mechanical 14 "C" at 322.95,73.303 h0.6; Mechanical 14 "D" at 322.95,72.503 h0.6; Mechanical 14 "E" at 322.95,71.703 h0.6; Mechanical 14 "F" at 322.95,70.903 h0.6; Mechanical 14 "G" at 322.95,70.103 h0.6; Mechanical 14 "H" at 322.95,69.303 h0.6; Mechanical 14 "K" at 322.95,67.703 h0.6; Mechanical 14 "9" at 330.775,76.353 h0.6; Mechanical 14 "8" at 329.975,76.353 h0.6; Mechanical 14 "7" at 329.175,76.353 h0.6; Mechanical 14 "6" at 328.375,76.353 h0.6; Mechanical 14 "5" at 327.575,76.353 h0.6; Mechanical 14 "4" at 326.775,76.353 h0.6; Mechanical 14 "3" at 325.975,76.353 h0.6; Mechanical 14 "1" at 324.375,76.353 h0.6; Mechanical 14 "2" at 325.075,76.353 h0.6; Mechanical 14 "10" at 331.575,76.353 h0.6; Mechanical 14 "S" at 322.95,62.103 h0.6; Mechanical 14 "R" at 322.95,62.903 h0.6
IC1001_1_2: Mechanical 14 "P" at 327.119,38.625 h0.6; Mechanical 14 "N" at 327.119,39.425 h0.6; Mechanical 14 "M" at 327.119,40.225 h0.6; Mechanical 14 "L" at 327.119,41.025 h0.6; Mechanical 14 "Q" at 327.119,37.825 h0.6; Mechanical 14 "J" at 327.119,42.625 h0.6; Mechanical 14 "A" at 327.119,49.025 h0.6; Mechanical 14 "B" at 327.119,48.225 h0.6; Mechanical 14 "C" at 327.119,47.425 h0.6; Mechanical 14 "D" at 327.119,46.625 h0.6; Mechanical 14 "E" at 327.119,45.825 h0.6; Mechanical 14 "F" at 327.119,45.025 h0.6; Mechanical 14 "G" at 327.119,44.225 h0.6; Mechanical 14 "H" at 327.119,43.425 h0.6; Mechanical 14 "K" at 327.119,41.825 h0.6; Mechanical 14 "9" at 334.944,50.475 h0.6; Mechanical 14 "8" at 334.144,50.475 h0.6; Mechanical 14 "7" at 333.344,50.475 h0.6; Mechanical 14 "6" at 332.544,50.475 h0.6; Mechanical 14 "5" at 331.744,50.475 h0.6; Mechanical 14 "4" at 330.944,50.475 h0.6; Mechanical 14 "3" at 330.144,50.475 h0.6; Mechanical 14 "1" at 328.544,50.475 h0.6; Mechanical 14 "2" at 329.244,50.475 h0.6; Mechanical 14 "10" at 335.744,50.475 h0.6; Mechanical 14 "S" at 327.119,36.225 h0.6; Mechanical 14 "R" at 327.119,37.025 h0.6
IC1001_2: Mechanical 14 "P" at 336.744,90.9 h0.6; Mechanical 14 "N" at 336.744,91.7 h0.6; Mechanical 14 "M" at 336.744,92.5 h0.6; Mechanical 14 "L" at 336.744,93.3 h0.6; Mechanical 14 "Q" at 336.744,90.1 h0.6; Mechanical 14 "J" at 336.744,94.9 h0.6; Mechanical 14 "A" at 336.744,101.3 h0.6; Mechanical 14 "B" at 336.744,100.5 h0.6; Mechanical 14 "C" at 336.744,99.7 h0.6; Mechanical 14 "D" at 336.744,98.9 h0.6; Mechanical 14 "E" at 336.744,98.1 h0.6; Mechanical 14 "F" at 336.744,97.3 h0.6; Mechanical 14 "G" at 336.744,96.5 h0.6; Mechanical 14 "H" at 336.744,95.7 h0.6; Mechanical 14 "K" at 336.744,94.1 h0.6; Mechanical 14 "9" at 344.569,102.75 h0.6; Mechanical 14 "8" at 343.769,102.75 h0.6; Mechanical 14 "7" at 342.969,102.75 h0.6; Mechanical 14 "6" at 342.169,102.75 h0.6; Mechanical 14 "5" at 341.369,102.75 h0.6; Mechanical 14 "4" at 340.569,102.75 h0.6; Mechanical 14 "3" at 339.769,102.75 h0.6; Mechanical 14 "1" at 338.169,102.75 h0.6; Mechanical 14 "2" at 338.869,102.75 h0.6; Mechanical 14 "10" at 345.369,102.75 h0.6; Mechanical 14 "S" at 336.744,88.5 h0.6; Mechanical 14 "R" at 336.744,89.3 h0.6
IC1001_2_1: Mechanical 14 "P" at 341.675,64.078 h0.6; Mechanical 14 "N" at 341.675,64.878 h0.6; Mechanical 14 "M" at 341.675,65.678 h0.6; Mechanical 14 "L" at 341.675,66.478 h0.6; Mechanical 14 "Q" at 341.675,63.278 h0.6; Mechanical 14 "J" at 341.675,68.078 h0.6; Mechanical 14 "A" at 341.675,74.478 h0.6; Mechanical 14 "B" at 341.675,73.678 h0.6; Mechanical 14 "C" at 341.675,72.878 h0.6; Mechanical 14 "D" at 341.675,72.078 h0.6; Mechanical 14 "E" at 341.675,71.278 h0.6; Mechanical 14 "F" at 341.675,70.478 h0.6; Mechanical 14 "G" at 341.675,69.678 h0.6; Mechanical 14 "H" at 341.675,68.878 h0.6; Mechanical 14 "K" at 341.675,67.278 h0.6; Mechanical 14 "9" at 349.5,75.928 h0.6; Mechanical 14 "8" at 348.7,75.928 h0.6; Mechanical 14 "7" at 347.9,75.928 h0.6; Mechanical 14 "6" at 347.1,75.928 h0.6; Mechanical 14 "5" at 346.3,75.928 h0.6; Mechanical 14 "4" at 345.5,75.928 h0.6; Mechanical 14 "3" at 344.7,75.928 h0.6; Mechanical 14 "1" at 343.1,75.928 h0.6; Mechanical 14 "2" at 343.8,75.928 h0.6; Mechanical 14 "10" at 350.3,75.928 h0.6; Mechanical 14 "S" at 341.675,61.678 h0.6; Mechanical 14 "R" at 341.675,62.478 h0.6
IC1001_2_2: Mechanical 14 "P" at 345.844,38.2 h0.6; Mechanical 14 "N" at 345.844,39 h0.6; Mechanical 14 "M" at 345.844,39.8 h0.6; Mechanical 14 "L" at 345.844,40.6 h0.6; Mechanical 14 "Q" at 345.844,37.4 h0.6; Mechanical 14 "J" at 345.844,42.2 h0.6; Mechanical 14 "A" at 345.844,48.6 h0.6; Mechanical 14 "B" at 345.844,47.8 h0.6; Mechanical 14 "C" at 345.844,47 h0.6; Mechanical 14 "D" at 345.844,46.2 h0.6; Mechanical 14 "E" at 345.844,45.4 h0.6; Mechanical 14 "F" at 345.844,44.6 h0.6; Mechanical 14 "G" at 345.844,43.8 h0.6; Mechanical 14 "H" at 345.844,43 h0.6; Mechanical 14 "K" at 345.844,41.4 h0.6; Mechanical 14 "9" at 353.669,50.05 h0.6; Mechanical 14 "8" at 352.869,50.05 h0.6; Mechanical 14 "7" at 352.069,50.05 h0.6; Mechanical 14 "6" at 351.269,50.05 h0.6; Mechanical 14 "5" at 350.469,50.05 h0.6; Mechanical 14 "4" at 349.669,50.05 h0.6; Mechanical 14 "3" at 348.869,50.05 h0.6; Mechanical 14 "1" at 347.269,50.05 h0.6; Mechanical 14 "2" at 347.969,50.05 h0.6; Mechanical 14 "10" at 354.469,50.05 h0.6; Mechanical 14 "S" at 345.844,35.8 h0.6; Mechanical 14 "R" at 345.844,36.6 h0.6
IC1001_3: Mechanical 14 "P" at 355.544,91.75 h0.6; Mechanical 14 "N" at 355.544,92.55 h0.6; Mechanical 14 "M" at 355.544,93.35 h0.6; Mechanical 14 "L" at 355.544,94.15 h0.6; Mechanical 14 "Q" at 355.544,90.95 h0.6; Mechanical 14 "J" at 355.544,95.75 h0.6; Mechanical 14 "A" at 355.544,102.15 h0.6; Mechanical 14 "B" at 355.544,101.35 h0.6; Mechanical 14 "C" at 355.544,100.55 h0.6; Mechanical 14 "D" at 355.544,99.75 h0.6; Mechanical 14 "E" at 355.544,98.95 h0.6; Mechanical 14 "F" at 355.544,98.15 h0.6; Mechanical 14 "G" at 355.544,97.35 h0.6; Mechanical 14 "H" at 355.544,96.55 h0.6; Mechanical 14 "K" at 355.544,94.95 h0.6; Mechanical 14 "9" at 363.369,103.6 h0.6; Mechanical 14 "8" at 362.569,103.6 h0.6; Mechanical 14 "7" at 361.769,103.6 h0.6; Mechanical 14 "6" at 360.969,103.6 h0.6; Mechanical 14 "5" at 360.169,103.6 h0.6; Mechanical 14 "4" at 359.369,103.6 h0.6; Mechanical 14 "3" at 358.569,103.6 h0.6; Mechanical 14 "1" at 356.969,103.6 h0.6; Mechanical 14 "2" at 357.669,103.6 h0.6; Mechanical 14 "10" at 364.169,103.6 h0.6; Mechanical 14 "S" at 355.544,89.35 h0.6; Mechanical 14 "R" at 355.544,90.15 h0.6
IC1001_3_1: Mechanical 14 "P" at 360.475,64.928 h0.6; Mechanical 14 "N" at 360.475,65.728 h0.6; Mechanical 14 "M" at 360.475,66.528 h0.6; Mechanical 14 "L" at 360.475,67.328 h0.6; Mechanical 14 "Q" at 360.475,64.128 h0.6; Mechanical 14 "J" at 360.475,68.928 h0.6; Mechanical 14 "A" at 360.475,75.328 h0.6; Mechanical 14 "B" at 360.475,74.528 h0.6; Mechanical 14 "C" at 360.475,73.728 h0.6; Mechanical 14 "D" at 360.475,72.928 h0.6; Mechanical 14 "E" at 360.475,72.128 h0.6; Mechanical 14 "F" at 360.475,71.328 h0.6; Mechanical 14 "G" at 360.475,70.528 h0.6; Mechanical 14 "H" at 360.475,69.728 h0.6; Mechanical 14 "K" at 360.475,68.128 h0.6; Mechanical 14 "9" at 368.3,76.778 h0.6; Mechanical 14 "8" at 367.5,76.778 h0.6; Mechanical 14 "7" at 366.7,76.778 h0.6; Mechanical 14 "6" at 365.9,76.778 h0.6; Mechanical 14 "5" at 365.1,76.778 h0.6; Mechanical 14 "4" at 364.3,76.778 h0.6; Mechanical 14 "3" at 363.5,76.778 h0.6; Mechanical 14 "1" at 361.9,76.778 h0.6; Mechanical 14 "2" at 362.6,76.778 h0.6; Mechanical 14 "10" at 369.1,76.778 h0.6; Mechanical 14 "S" at 360.475,62.528 h0.6; Mechanical 14 "R" at 360.475,63.328 h0.6
IC1001_3_2: Mechanical 14 "P" at 364.644,39.05 h0.6; Mechanical 14 "N" at 364.644,39.85 h0.6; Mechanical 14 "M" at 364.644,40.65 h0.6; Mechanical 14 "L" at 364.644,41.45 h0.6; Mechanical 14 "Q" at 364.644,38.25 h0.6; Mechanical 14 "J" at 364.644,43.05 h0.6; Mechanical 14 "A" at 364.644,49.45 h0.6; Mechanical 14 "B" at 364.644,48.65 h0.6; Mechanical 14 "C" at 364.644,47.85 h0.6; Mechanical 14 "D" at 364.644,47.05 h0.6; Mechanical 14 "E" at 364.644,46.25 h0.6; Mechanical 14 "F" at 364.644,45.45 h0.6; Mechanical 14 "G" at 364.644,44.65 h0.6; Mechanical 14 "H" at 364.644,43.85 h0.6; Mechanical 14 "K" at 364.644,42.25 h0.6; Mechanical 14 "9" at 372.469,50.9 h0.6; Mechanical 14 "8" at 371.669,50.9 h0.6; Mechanical 14 "7" at 370.869,50.9 h0.6; Mechanical 14 "6" at 370.069,50.9 h0.6; Mechanical 14 "5" at 369.269,50.9 h0.6; Mechanical 14 "4" at 368.469,50.9 h0.6; Mechanical 14 "3" at 367.669,50.9 h0.6; Mechanical 14 "1" at 366.069,50.9 h0.6; Mechanical 14 "2" at 366.769,50.9 h0.6; Mechanical 14 "10" at 373.269,50.9 h0.6; Mechanical 14 "S" at 364.644,36.65 h0.6; Mechanical 14 "R" at 364.644,37.45 h0.6
IC1001_4: Mechanical 14 "P" at 374.119,91.475 h0.6; Mechanical 14 "N" at 374.119,92.275 h0.6; Mechanical 14 "M" at 374.119,93.075 h0.6; Mechanical 14 "L" at 374.119,93.875 h0.6; Mechanical 14 "Q" at 374.119,90.675 h0.6; Mechanical 14 "J" at 374.119,95.475 h0.6; Mechanical 14 "A" at 374.119,101.875 h0.6; Mechanical 14 "B" at 374.119,101.075 h0.6; Mechanical 14 "C" at 374.119,100.275 h0.6; Mechanical 14 "D" at 374.119,99.475 h0.6; Mechanical 14 "E" at 374.119,98.675 h0.6; Mechanical 14 "F" at 374.119,97.875 h0.6; Mechanical 14 "G" at 374.119,97.075 h0.6; Mechanical 14 "H" at 374.119,96.275 h0.6; Mechanical 14 "K" at 374.119,94.675 h0.6; Mechanical 14 "9" at 381.944,103.325 h0.6; Mechanical 14 "8" at 381.144,103.325 h0.6; Mechanical 14 "7" at 380.344,103.325 h0.6; Mechanical 14 "6" at 379.544,103.325 h0.6; Mechanical 14 "5" at 378.744,103.325 h0.6; Mechanical 14 "4" at 377.944,103.325 h0.6; Mechanical 14 "3" at 377.144,103.325 h0.6; Mechanical 14 "1" at 375.544,103.325 h0.6; Mechanical 14 "2" at 376.244,103.325 h0.6; Mechanical 14 "10" at 382.744,103.325 h0.6; Mechanical 14 "S" at 374.119,89.075 h0.6; Mechanical 14 "R" at 374.119,89.875 h0.6
IC1001_4_1: Mechanical 14 "P" at 392.675,90.528 h0.6; Mechanical 14 "N" at 392.675,91.328 h0.6; Mechanical 14 "M" at 392.675,92.128 h0.6; Mechanical 14 "L" at 392.675,92.928 h0.6; Mechanical 14 "Q" at 392.675,89.728 h0.6; Mechanical 14 "J" at 392.675,94.528 h0.6; Mechanical 14 "A" at 392.675,100.928 h0.6; Mechanical 14 "B" at 392.675,100.128 h0.6; Mechanical 14 "C" at 392.675,99.328 h0.6; Mechanical 14 "D" at 392.675,98.528 h0.6; Mechanical 14 "E" at 392.675,97.728 h0.6; Mechanical 14 "F" at 392.675,96.928 h0.6; Mechanical 14 "G" at 392.675,96.128 h0.6; Mechanical 14 "H" at 392.675,95.328 h0.6; Mechanical 14 "K" at 392.675,93.728 h0.6; Mechanical 14 "9" at 400.5,102.378 h0.6; Mechanical 14 "8" at 399.7,102.378 h0.6; Mechanical 14 "7" at 398.9,102.378 h0.6; Mechanical 14 "6" at 398.1,102.378 h0.6; Mechanical 14 "5" at 397.3,102.378 h0.6; Mechanical 14 "4" at 396.5,102.378 h0.6; Mechanical 14 "3" at 395.7,102.378 h0.6; Mechanical 14 "1" at 394.1,102.378 h0.6; Mechanical 14 "2" at 394.8,102.378 h0.6; Mechanical 14 "10" at 401.3,102.378 h0.6; Mechanical 14 "S" at 392.675,88.128 h0.6; Mechanical 14 "R" at 392.675,88.928 h0.6
IC1001_4_1_1: Mechanical 14 "P" at 397.406,64.028 h0.6; Mechanical 14 "N" at 397.406,64.828 h0.6; Mechanical 14 "M" at 397.406,65.628 h0.6; Mechanical 14 "L" at 397.406,66.428 h0.6; Mechanical 14 "Q" at 397.406,63.228 h0.6; Mechanical 14 "J" at 397.406,68.028 h0.6; Mechanical 14 "A" at 397.406,74.428 h0.6; Mechanical 14 "B" at 397.406,73.628 h0.6; Mechanical 14 "C" at 397.406,72.828 h0.6; Mechanical 14 "D" at 397.406,72.028 h0.6; Mechanical 14 "E" at 397.406,71.228 h0.6; Mechanical 14 "F" at 397.406,70.428 h0.6; Mechanical 14 "G" at 397.406,69.628 h0.6; Mechanical 14 "H" at 397.406,68.828 h0.6; Mechanical 14 "K" at 397.406,67.228 h0.6; Mechanical 14 "9" at 405.231,75.878 h0.6; Mechanical 14 "8" at 404.431,75.878 h0.6; Mechanical 14 "7" at 403.631,75.878 h0.6; Mechanical 14 "6" at 402.831,75.878 h0.6; Mechanical 14 "5" at 402.031,75.878 h0.6; Mechanical 14 "4" at 401.231,75.878 h0.6; Mechanical 14 "3" at 400.431,75.878 h0.6; Mechanical 14 "1" at 398.831,75.878 h0.6; Mechanical 14 "2" at 399.531,75.878 h0.6; Mechanical 14 "10" at 406.031,75.878 h0.6; Mechanical 14 "S" at 397.406,61.628 h0.6; Mechanical 14 "R" at 397.406,62.428 h0.6
IC1001_4_1_2: Mechanical 14 "P" at 401.775,37.828 h0.6; Mechanical 14 "N" at 401.775,38.628 h0.6; Mechanical 14 "M" at 401.775,39.428 h0.6; Mechanical 14 "L" at 401.775,40.228 h0.6; Mechanical 14 "Q" at 401.775,37.028 h0.6; Mechanical 14 "J" at 401.775,41.828 h0.6; Mechanical 14 "A" at 401.775,48.228 h0.6; Mechanical 14 "B" at 401.775,47.428 h0.6; Mechanical 14 "C" at 401.775,46.628 h0.6; Mechanical 14 "D" at 401.775,45.828 h0.6; Mechanical 14 "E" at 401.775,45.028 h0.6; Mechanical 14 "F" at 401.775,44.228 h0.6; Mechanical 14 "G" at 401.775,43.428 h0.6; Mechanical 14 "H" at 401.775,42.628 h0.6; Mechanical 14 "K" at 401.775,41.028 h0.6; Mechanical 14 "9" at 409.6,49.678 h0.6; Mechanical 14 "8" at 408.8,49.678 h0.6; Mechanical 14 "7" at 408,49.678 h0.6; Mechanical 14 "6" at 407.2,49.678 h0.6; Mechanical 14 "5" at 406.4,49.678 h0.6; Mechanical 14 "4" at 405.6,49.678 h0.6; Mechanical 14 "3" at 404.8,49.678 h0.6; Mechanical 14 "1" at 403.2,49.678 h0.6; Mechanical 14 "2" at 403.9,49.678 h0.6; Mechanical 14 "10" at 410.4,49.678 h0.6; Mechanical 14 "S" at 401.775,35.428 h0.6; Mechanical 14 "R" at 401.775,36.228 h0.6